# Altium PCB 20220516_Keyboard_V0.2.PcbDoc (part 2 of 2)
Units mil, origin at the board's own origin, x right, y up, seen from the top; angles counter-clockwise.
Board outline 8065.67 x 4703.83 mil, 2 copper layers (Top Layer, Bottom Layer); 129 components, 101 nets, 682 pads, 2065 vias.
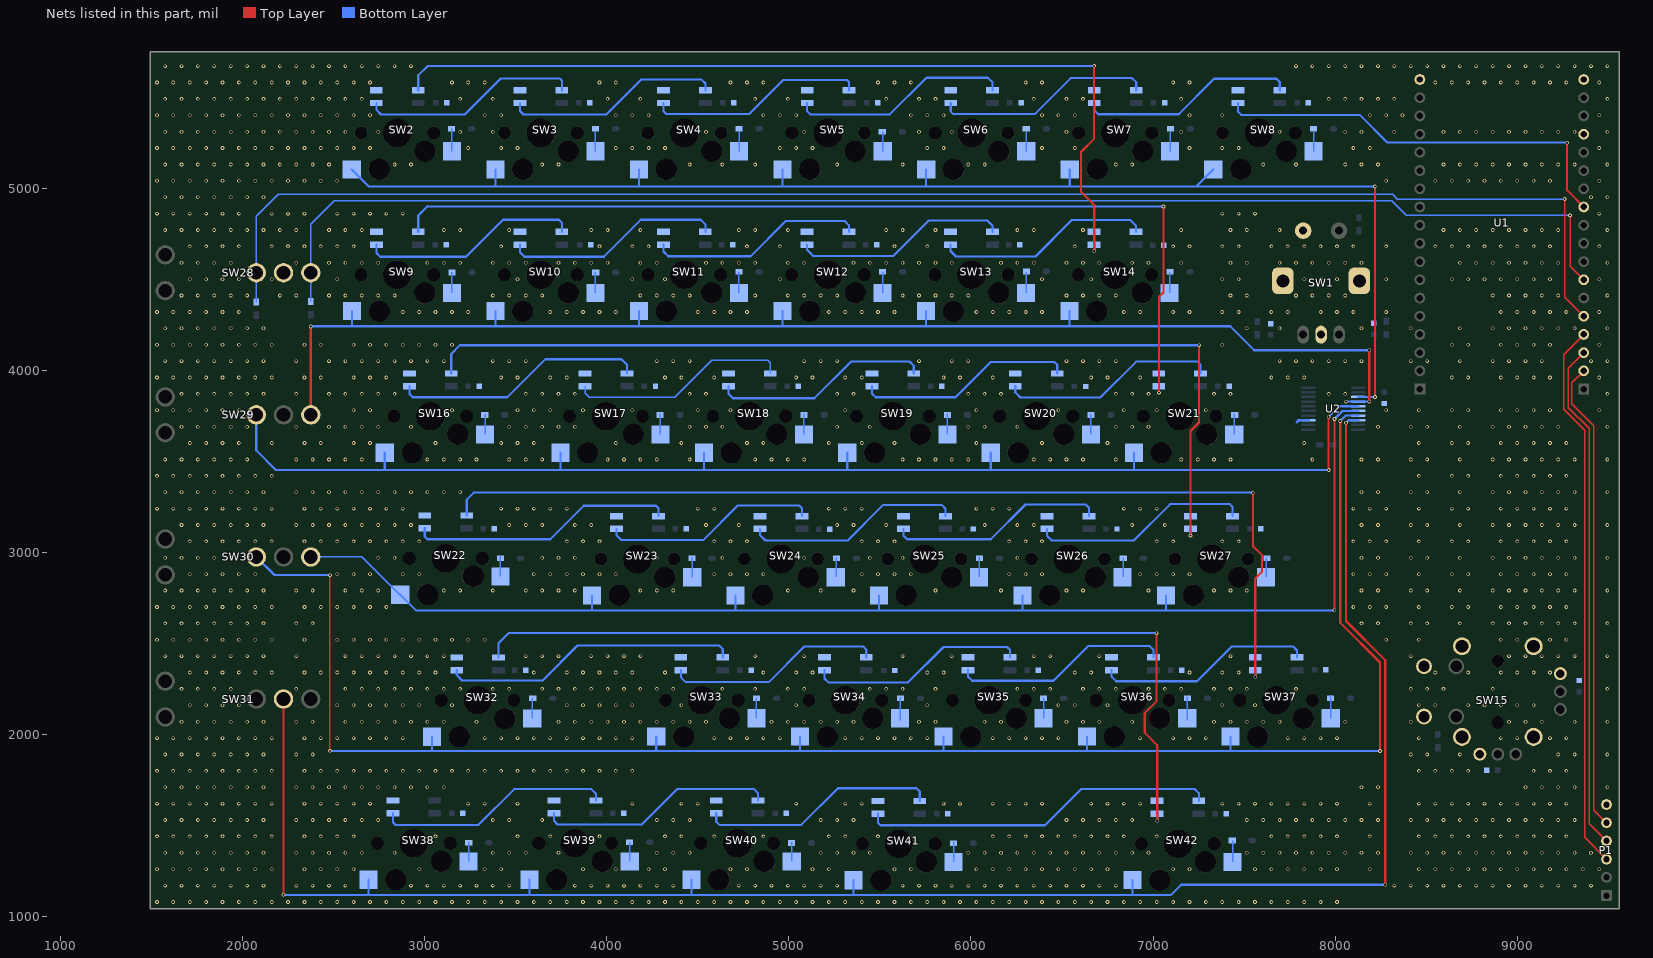
[diagram p2: the nets of this part, all layers, seen from the top]

## Via types
v1: diameter 20, hole 12, Top Layer to Bottom Layer, 2065 vias

## Nets (pads, with @x,y where several pads share a name; then routed paths per layer and width w, separated by ;. In a path a pad name is that pad's centre, name@x,y a point inside that pad or via, vN(x,y) a via of type N, cw(c..) or ccw(c..) an arc to the next point about the centre after c; other vN are vias at no path point) (continued)
GND: C1.1 C2.1 C3.1 C4.1 C5.1 C6.1 C7.1 C8.1 C9.2 C10.1 C11.1 C12.1 C13.1 C14.1 C15.1 C16.1 C17.1 C18.1 C19.1 C20.1 C21.1 C22.1 C23.1 C24.1 C25.1 C26.1 C27.1 C28.1 C29.1 C30.1 C31.1 C32.1 C33.1 C34.1 C35.1 C36.1 C37.1 C38.1 C39.1 C40.1 C41.1 P1.6 SW1.6 SW1.7 SW1.C SW1.D SW2.5 SW3.5 SW4.5 SW5.5 SW6.5 SW7.5 SW8.5 SW9.5 SW10.5 SW11.5 SW12.5 SW13.5 SW14.5 SW15.1 SW15.6 SW15.7 SW15.8 SW15.9 SW15.10 SW15.b SW15.d SW16.5 SW17.5 SW18.5 SW19.5 SW20.5 SW21.5 SW22.5 SW23.5 SW24.5 SW25.5 SW26.5 SW27.5 SW28.2 SW32.5 SW33.5 SW34.5 SW35.5 SW36.5 SW37.5 SW38.5 SW39.5 SW40.5 SW41.5 SW42.5 U1.1 U1.4 U1.36 U2.13 | length 65.5
  Bottom Layer w16: 7791.09,3716.41 7800.01,3725.33 U2.13@7852.85,3725.33
  other v1: 1530,1080 1620,1080 1710,1080 1800,1080 1890,1080 1980,1080 2070,1080 2160,1080 2250,1080 2340,1080 2430,1080 2520,1080 2610,1080 2700,1080 2790,1080 2880,1080 2970,1080 3060,1080 3150,1080 3240,1080 3330,1080 3420,1080 3510,1080 3600,1080 3690,1080 3780,1080 3870,1080 3960,1080 4050,1080 4140,1080 4230,1080 4320,1080 4410,1080 4500,1080 4590,1080 4680,1080 4770,1080 4860,1080 4950,1080 5040,1080 5130,1080 5220,1080 5310,1080 5400,1080 5490,1080 5580,1080 5670,1080 5760,1080 5850,1080 5940,1080 6030,1080 6120,1080 6210,1080 6300,1080 6390,1080 6480,1080 6570,1080 6660,1080 6750,1080 6840,1080 6930,1080 7020,1080 7110,1080 7200,1080 7290,1080 7380,1080 7470,1080 7560,1080 7650,1080 7740,1080 7830,1080 7920,1080 8010,1080 1575,1170 1665,1170 1755,1170 1845,1170 1935,1170 2025,1170 2115,1170 2295,1170 2385,1170 2475,1170 2565,1170 2925,1170 3015,1170 3105,1170 3195,1170 3285,1170 3375,1170 3465,1170 3825,1170 3915,1170 4005,1170 4095,1170 4185,1170 4275,1170 4365,1170 4725,1170 4815,1170 4905,1170 4995,1170 5085,1170 5175,1170 5265,1170 5625,1170 5715,1170 5805,1170 5895,1170 5985,1170 6075,1170 6165,1170 6255,1170 6345,1170 6435,1170 6525,1170 6615,1170 6705,1170 6795,1170 8325,1170 8415,1170 8505,1170 8595,1170 8685,1170 8775,1170 8865,1170 8955,1170 9045,1170 9135,1170 9225,1170 9315,1170 9405,1170 1530,1260 1620,1260 1710,1260 1800,1260 1890,1260 1980,1260 2070,1260 2160,1260 2340,1260 2430,1260 2520,1260 2610,1260 2970,1260 3330,1260 3420,1260 3870,1260 4050,1260 4230,1260 4320,1260 4680,1260 4770,1260 5130,1260 5220,1260 5580,1260 5670,1260 6030,1260 6120,1260 6210,1260 6300,1260 6390,1260 6480,1260 6570,1260 6660,1260 6750,1260 7110,1260 7200,1260 7560,1260 7650,1260 7740,1260 7830,1260 7920,1260 8010,1260 8190,1260 8460,1260 8550,1260 8640,1260 8730,1260 8820,1260 8910,1260 9000,1260 9090,1260 9180,1260 9270,1260 9360,1260 9450,1260 1575,1350 1665,1350 1755,1350 1845,1350 1935,1350 2025,1350 2115,1350 2295,1350 2385,1350 2475,1350 2565,1350 2655,1350 2835,1350 3375,1350 3465,1350 3555,1350 3735,1350 4275,1350 4365,1350 4455,1350 5175,1350 5265,1350 5355,1350 5445,1350 5985,1350 6075,1350 6165,1350 6255,1350 6345,1350 6435,1350 6525,1350 6615,1350 6705,1350 6795,1350 6885,1350 6975,1350 7515,1350 7605,1350 7695,1350 7785,1350 7875,1350 7965,1350 8055,1350 8145,1350 8235,1350 8415,1350 8505,1350 8595,1350 8685,1350 8775,1350 8865,1350 8955,1350 9045,1350 9135,1350 9225,1350 9315,1350 9405,1350 1530,1440 1620,1440 1710,1440 1800,1440 1890,1440 1980,1440 2070,1440 2160,1440 2340,1440 2430,1440 2520,1440 2610,1440 3060,1440 3510,1440 3690,1440 3960,1440 4320,1440 4410,1440 4590,1440 4860,1440 5220,1440 5310,1440 5490,1440 6120,1440 6210,1440 6300,1440 6390,1440 6480,1440 6570,1440 6660,1440 6750,1440 6840,1440 7020,1440 7650,1440 7740,1440 7830,1440 7920,1440 8010,1440 8190,1440 8460,1440 8550,1440 8640,1440 8730,1440 8820,1440 8910,1440 9000,1440 9090,1440 9180,1440 9270,1440 1575,1530 1665,1530 1755,1530 1845,1530 1935,1530 2025,1530 2115,1530 2295,1530 2385,1530 2475,1530 2565,1530 2655,1530 2745,1530 3375,1530 3465,1530 3645,1530 4275,1530 4365,1530 4455,1530 5175,1530 5265,1530 5355,1530 6525,1530 6615,1530 6705,1530 6795,1530 6885,1530 7515,1530 7605,1530 7695,1530 7785,1530 7875,1530 7965,1530 8055,1530 8145,1530 8235,1530 8415,1530 8505,1530 8595,1530 8685,1530 8775,1530 8865,1530 8955,1530 9045,1530 9135,1530 9225,1530 9315,1530 1530,1620 1620,1620 1710,1620 1800,1620 1890,1620 1980,1620 2070,1620 2160,1620 2340,1620 2430,1620 2520,1620 2610,1620 2700,1620 3240,1620 3330,1620 3510,1620 4140,1620 4410,1620 4500,1620 5040,1620 5310,1620 5400,1620 5850,1620 5940,1620 6120,1620 6210,1620 6300,1620 6390,1620 6660,1620 6750,1620 6840,1620 6930,1620 7380,1620 7470,1620 7560,1620 7650,1620 7740,1620 7830,1620 7920,1620 8010,1620 8190,1620 8460,1620 8550,1620 8640,1620 8730,1620 8820,1620 8910,1620 9000,1620 9090,1620 9180,1620 9270,1620 1575,1710 1665,1710 1755,1710 1845,1710 1935,1710 2025,1710 2115,1710 2295,1710 2385,1710 2475,1710 2565,1710 2655,1710 2745,1710 2835,1710 2925,1710 3015,1710 3105,1710 8145,1710 8235,1710 9045,1710 9135,1710 9225,1710 9315,1710 9495,1710 1530,1800 1620,1800 1710,1800 1800,1800 1890,1800 1980,1800 2070,1800 2160,1800 2340,1800 2430,1800 2520,1800 2610,1800 2700,1800 2790,1800 2880,1800 2970,1800 3060,1800 3150,1800 3240,1800 3330,1800 3420,1800 3510,1800 3600,1800 3690,1800 3780,1800 3870,1800 3960,1800 4050,1800 4140,1800 8460,1800 8550,1800 8640,1800 8730,1800 9090,1800 9180,1800 9270,1800 1575,1890 1665,1890 1755,1890 1845,1890 1935,1890 2025,1890 2115,1890 2295,1890 2385,1890 8415,1890 8505,1890 8685,1890 9225,1890 9315,1890 9495,1890 1530,1980 1620,1980 1710,1980 1800,1980 1890,1980 1980,1980 2070,1980 2160,1980 2340,1980 2430,1980 2520,1980 2610,1980 2700,1980 2790,1980 2880,1980 3330,1980 3420,1980 3510,1980 3600,1980 3690,1980 3780,1980 3870,1980 3960,1980 4050,1980 4140,1980 4590,1980 4680,1980 4770,1980 4860,1980 4950,1980 5310,1980 5400,1980 5490,1980 5580,1980 5670,1980 5760,1980 6120,1980 6210,1980 6300,1980 6390,1980 6480,1980 6930,1980 7110,1980 7200,1980 7290,1980 7740,1980 7830,1980 7920,1980 8010,1980 8460,1980 8910,1980 9000,1980 9180,1980 9270,1980 1665,2070 1755,2070 1845,2070 1935,2070 2025,2070 2115,2070 2295,2070 2385,2070 2565,2070 2655,2070 2745,2070 2835,2070 2925,2070 3015,2070 3105,2070 3285,2070 3735,2070 3825,2070 3915,2070 4005,2070 4095,2070 4185,2070 4275,2070 4365,2070 4455,2070 4545,2070 4905,2070 4995,2070 5085,2070 5175,2070 5265,2070 5355,2070 5715,2070 5805,2070 6075,2070 6165,2070 6525,2070 6615,2070 6705,2070 6885,2070 7335,2070 7425,2070 7515,2070 7605,2070 7695,2070 8055,2070 8415,2070 8955,2070 9045,2070 9135,2070 9315,2070 9495,2070 1710,2160 1800,2160 1890,2160 1980,2160 2520,2160 2610,2160 2700,2160 2790,2160 2880,2160 2970,2160 3150,2160 3780,2160 3870,2160 3960,2160 4050,2160 4140,2160 4410,2160 5040,2160 5760,2160 6480,2160 6570,2160 6750,2160 7380,2160 7560,2160 8460,2160 8550,2160 8730,2160 8820,2160 8910,2160 9000,2160 9090,2160 1665,2250 1755,2250 1845,2250 1935,2250 2295,2250 2565,2250 2655,2250 2745,2250 2835,2250 2925,2250 3015,2250 3105,2250 3195,2250 3375,2250 3465,2250 3645,2250 3735,2250 3825,2250 3915,2250 4005,2250 4095,2250 4185,2250 4275,2250 4365,2250 4635,2250 4815,2250 4995,2250 5085,2250 5445,2250 5535,2250 5625,2250 5805,2250 6255,2250 6345,2250 6435,2250 6615,2250 6705,2250 6795,2250 6975,2250 7065,2250 7155,2250 7335,2250 7425,2250 7515,2250 7785,2250 8415,2250 8505,2250 8595,2250 8865,2250 9495,2250 1710,2340 1800,2340 1890,2340 1980,2340 2070,2340 2160,2340 2340,2340 2430,2340 2520,2340 2610,2340 2700,2340 2790,2340 2880,2340 2970,2340 3060,2340 3600,2340 3780,2340 3870,2340 3960,2340 4050,2340 4140,2340 4320,2340 4860,2340 5040,2340 5130,2340 5760,2340 5850,2340 6570,2340 6660,2340 7200,2340 7380,2340 7470,2340 8550,2340 8730,2340 8910,2340 9000,2340 9090,2340 9180,2340 1575,2430 1665,2430 1755,2430 1845,2430 1935,2430 2025,2430 2115,2430 2295,2430 2565,2430 2655,2430 2745,2430 2835,2430 2925,2430 3015,2430 3105,2430 3555,2430 3645,2430 3735,2430 3915,2430 4005,2430 4095,2430 4185,2430 4815,2430 5085,2430 5625,2430 5895,2430 6345,2430 6435,2430 6705,2430 7425,2430 8415,2430 8955,2430 9045,2430 9135,2430 9225,2430 9315,2430 9495,2430 1530,2520 1620,2520 1710,2520 1800,2520 1890,2520 1980,2520 2070,2520 2160,2520 2340,2520 2520,2520 2610,2520 2700,2520 2790,2520 2880,2520 2970,2520 3060,2520 3150,2520 3240,2520 3330,2520 8280,2520 8460,2520 8910,2520 9000,2520 9180,2520 9270,2520 1575,2610 1665,2610 1755,2610 1845,2610 1935,2610 2025,2610 2115,2610 2295,2610 2385,2610 8145,2610 8235,2610 8415,2610 8505,2610 8685,2610 8865,2610 8955,2610 9045,2610 9135,2610 9225,2610 9315,2610 9495,2610 1530,2700 1620,2700 1710,2700 1800,2700 1890,2700 1980,2700 2070,2700 2160,2700 2340,2700 2430,2700 2520,2700 2610,2700 2700,2700 2790,2700 8100,2700 8190,2700 8280,2700 8460,2700 8640,2700 8730,2700 8910,2700 9000,2700 9090,2700 9180,2700 9270,2700 1575,2790 1665,2790 1755,2790 1845,2790 1935,2790 2025,2790 2115,2790 2295,2790 2385,2790 2565,2790 2655,2790 2745,2790 3105,2790 3195,2790 3375,2790 3555,2790 3645,2790 3735,2790 3825,2790 4185,2790 4275,2790 4365,2790 4995,2790 5175,2790 5355,2790 5805,2790 6165,2790 6525,2790 6615,2790 6975,2790 7335,2790 7425,2790 7515,2790 8145,2790 8235,2790 8415,2790 8505,2790 8685,2790 8865,2790 8955,2790 9045,2790 9135,2790 9225,2790 9315,2790 9495,2790 1710,2880 1800,2880 1890,2880 1980,2880 2070,2880 2520,2880 2610,2880 2700,2880 2880,2880 2970,2880 3600,2880 3690,2880 3780,2880 3870,2880 3960,2880 4050,2880 4590,2880 4680,2880 4770,2880 4860,2880 5400,2880 5490,2880 5580,2880 5670,2880 6210,2880 6300,2880 6390,2880 6930,2880 7020,2880 7110,2880 7200,2880 8100,2880 8190,2880 8280,2880 8460,2880 8640,2880 8730,2880 8910,2880 9000,2880 9090,2880 9180,2880 9270,2880 1575,2970 1665,2970 1755,2970 1845,2970 1935,2970 2745,2970 2835,2970 3645,2970 3735,2970 3825,2970 4275,2970 4635,2970 5085,2970 5445,2970 5625,2970 6255,2970 8145,2970 8235,2970 8415,2970 8505,2970 8685,2970 8865,2970 8955,2970 9045,2970 9135,2970 9225,2970 9315,2970 9495,2970 1710,3060 1800,3060 1890,3060 1980,3060 2070,3060 2160,3060 2340,3060 2430,3060 2520,3060 2610,3060 2700,3060 2790,3060 2880,3060 2970,3060 3780,3060 3870,3060 3960,3060 4590,3060 4680,3060 4770,3060 5400,3060 5490,3060 5580,3060 6210,3060 6300,3060 6390,3060 7020,3060 7110,3060 7380,3060 7470,3060 8100,3060 8190,3060 8280,3060 8460,3060 8640,3060 8730,3060 8910,3060 9000,3060 9090,3060 9180,3060 9270,3060 1665,3150 1755,3150 1845,3150 1935,3150 2025,3150 2115,3150 2295,3150 2385,3150 2475,3150 2565,3150 2655,3150 2745,3150 2835,3150 2925,3150 3465,3150 3555,3150 3645,3150 3825,3150 3915,3150 4545,3150 4725,3150 5265,3150 5355,3150 5535,3150 6075,3150 6255,3150 6345,3150 6885,3150 7065,3150 8145,3150 8235,3150 8415,3150 8505,3150 8685,3150 8865,3150 8955,3150 9045,3150 9135,3150 9225,3150 9315,3150 9495,3150 1530,3240 1620,3240 1710,3240 1800,3240 1890,3240 1980,3240 2070,3240 2160,3240 2340,3240 2430,3240 2520,3240 2610,3240 2700,3240 2790,3240 2880,3240 3420,3240 3510,3240 3600,3240 3690,3240 3780,3240 4500,3240 4590,3240 5220,3240 5310,3240 5400,3240 6030,3240 6120,3240 6210,3240 6840,3240 6930,3240 7020,3240 8100,3240 8190,3240 8280,3240 8460,3240 8640,3240 8730,3240 8910,3240 9000,3240 9090,3240 9180,3240 9270,3240 1575,3330 1665,3330 1755,3330 1845,3330 1935,3330 2025,3330 2115,3330 2295,3330 2385,3330 2475,3330 2565,3330 2655,3330 2745,3330 2835,3330 2925,3330 3015,3330 3105,3330 3195,3330 8145,3330 8235,3330 8415,3330 8505,3330 8685,3330 8865,3330 8955,3330 9045,3330 9135,3330 9225,3330 9315,3330 9495,3330 1530,3420 1620,3420 1710,3420 1800,3420 1890,3420 1980,3420 2070,3420 2160,3420 8460,3420 8640,3420 8730,3420 8910,3420 9000,3420 9090,3420 9180,3420 9270,3420 1575,3510 1665,3510 1755,3510 1845,3510 1935,3510 2025,3510 2295,3510 2385,3510 2475,3510 2565,3510 2655,3510 3015,3510 3105,3510 3195,3510 3285,3510 3465,3510 3555,3510 3645,3510 4005,3510 4095,3510 4185,3510 4275,3510 4455,3510 4815,3510 4905,3510 4995,3510 5085,3510 5625,3510 5715,3510 5805,3510 5895,3510 5985,3510 6345,3510 6435,3510 6525,3510 6615,3510 6795,3510 7155,3510 7245,3510 7335,3510 7425,3510 7875,3510 8145,3510 8235,3510 8415,3510 8505,3510 8685,3510 8865,3510 8955,3510 9045,3510 9135,3510 9225,3510 9315,3510 9495,3510 1710,3600 1800,3600 1890,3600 1980,3600 2160,3600 2340,3600 2430,3600 2610,3600 2700,3600 3060,3600 3420,3600 3510,3600 3600,3600 4050,3600 4410,3600 4770,3600 4860,3600 5220,3600 5400,3600 5580,3600 6030,3600 6390,3600 6750,3600 7830,3600 8460,3600 8640,3600 8730,3600 8910,3600 9000,3600 9090,3600 9180,3600 9270,3600 1665,3690 1755,3690 1845,3690 1935,3690 2025,3690 2295,3690 2475,3690 2565,3690 2655,3690 2745,3690 2925,3690 3465,3690 3555,3690 3645,3690 3735,3690 3825,3690 4455,3690 4545,3690 4635,3690 5265,3690 5445,3690 5985,3690 6075,3690 6255,3690 6795,3690 6885,3690 6975,3690 8235,3690 8415,3690 8505,3690 8685,3690 8865,3690 8955,3690 9045,3690 9135,3690 9225,3690 9495,3690 1530,3780 1620,3780 1710,3780 1800,3780 1890,3780 1980,3780 2610,3780 2700,3780 3150,3780 3510,3780 3600,3780 3690,3780 3870,3780 4140,3780 4500,3780 4680,3780 5310,3780 6030,3780 6480,3780 6840,3780 7020,3780 7290,3780 8280,3780 8460,3780 8640,3780 8730,3780 8910,3780 9000,3780 9090,3780 9180,3780 9450,3780 1665,3870 1755,3870 1845,3870 1935,3870 2025,3870 2115,3870 2295,3870 2475,3870 2565,3870 2655,3870 2745,3870 2835,3870 3555,3870 3645,3870 3735,3870 3825,3870 4455,3870 4545,3870 5265,3870 5355,3870 5985,3870 6075,3870 6165,3870 6795,3870 6885,3870 6975,3870 7335,3870 7425,3870 7965,3870 8055,3870 9495,3870 1530,3960 1620,3960 1710,3960 1800,3960 1890,3960 1980,3960 2070,3960 2160,3960 2340,3960 2430,3960 2610,3960 2700,3960 2790,3960 3420,3960 3510,3960 3690,3960 3780,3960 4320,3960 4410,3960 4590,3960 5040,3960 5130,3960 5310,3960 5400,3960 5850,3960 5940,3960 6120,3960 6660,3960 6750,3960 6930,3960 7650,3960 7740,3960 7830,3960 8640,3960 8730,3960 8910,3960 9000,3960 9090,3960 9180,3960 9450,3960 1575,4050 1665,4050 1755,4050 1845,4050 1935,4050 2025,4050 2115,4050 2295,4050 2475,4050 2565,4050 2655,4050 2745,4050 2835,4050 2925,4050 3015,4050 3105,4050 3375,4050 3465,4050 3555,4050 4275,4050 4365,4050 4455,4050 5085,4050 5175,4050 5265,4050 5715,4050 5895,4050 5985,4050 6525,4050 6615,4050 6705,4050 6795,4050 7695,4050 7785,4050 7875,4050 7965,4050 8055,4050 8145,4050 8415,4050 8505,4050 8685,4050 8865,4050 8955,4050 9045,4050 9135,4050 9405,4050 9495,4050 1530,4140 1620,4140 1710,4140 1800,4140 1890,4140 1980,4140 2070,4140 2160,4140 2340,4140 2430,4140 2610,4140 2700,4140 2790,4140 2880,4140 2970,4140 3060,4140 3150,4140 7380,4140 8640,4140 8730,4140 8910,4140 9000,4140 9090,4140 9180,4140 9450,4140 1575,4230 1665,4230 1755,4230 1845,4230 1935,4230 2025,4230 2115,4230 7515,4230 7695,4230 8145,4230 8415,4230 8685,4230 8865,4230 8955,4230 9045,4230 9135,4230 9225,4230 9315,4230 9495,4230 1530,4320 1620,4320 1710,4320 1800,4320 1890,4320 1980,4320 2880,4320 2970,4320 3060,4320 3150,4320 3240,4320 3690,4320 3780,4320 3870,4320 3960,4320 4050,4320 4500,4320 4590,4320 4680,4320 4770,4320 5220,4320 5310,4320 5400,4320 5490,4320 5580,4320 6030,4320 6120,4320 6210,4320 6300,4320 6390,4320 6840,4320 6930,4320 7110,4320 7200,4320 7380,4320 7470,4320 7650,4320 7740,4320 7920,4320 8010,4320 8100,4320 8280,4320 8910,4320 9000,4320 9090,4320 9180,4320 9270,4320 9450,4320 1665,4410 1755,4410 1845,4410 1935,4410 2025,4410 2205,4410 2295,4410 2475,4410 2565,4410 2655,4410 2745,4410 2835,4410 3375,4410 3465,4410 3555,4410 3645,4410 4185,4410 4275,4410 4365,4410 4455,4410 4815,4410 4995,4410 5085,4410 5175,4410 5265,4410 5625,4410 5715,4410 5805,4410 5895,4410 5985,4410 6525,4410 6615,4410 6705,4410 6795,4410 7425,4410 7515,4410 7785,4410 7875,4410 7965,4410 8055,4410 8865,4410 8955,4410 9045,4410 9135,4410 9225,4410 9495,4410 1710,4500 1800,4500 1890,4500 1980,4500 2160,4500 2520,4500 3510,4500 4140,4500 4320,4500 4950,4500 6390,4500 6660,4500 7380,4500 7470,4500 7830,4500 7920,4500 8010,4500 8280,4500 8640,4500 8730,4500 8820,4500 8910,4500 9000,4500 9090,4500 9180,4500 9450,4500 1665,4590 1755,4590 1845,4590 1935,4590 2295,4590 2475,4590 2565,4590 2655,4590 2745,4590 3015,4590 3105,4590 3195,4590 3375,4590 3465,4590 3555,4590 3735,4590 3825,4590 3915,4590 4005,4590 4185,4590 4275,4590 4545,4590 4635,4590 4725,4590 4815,4590 4995,4590 5085,4590 5355,4590 5445,4590 5535,4590 5625,4590 5715,4590 5805,4590 5895,4590 6165,4590 6255,4590 6345,4590 6525,4590 6615,4590 6705,4590 6885,4590 6975,4590 7155,4590 7425,4590 7515,4590 7695,4590 7785,4590 7875,4590 7965,4590 8055,4590 8145,4590 8685,4590 8775,4590 8865,4590 8955,4590 9045,4590 9135,4590 9225,4590 9495,4590 1710,4680 1800,4680 1890,4680 1980,4680 2160,4680 2250,4680 2340,4680 2430,4680 2520,4680 2610,4680 3420,4680 3960,4680 4140,4680 4230,4680 4770,4680 4950,4680 5580,4680 5760,4680 6570,4680 7110,4680 7200,4680 7380,4680 7470,4680 7650,4680 7740,4680 7830,4680 7920,4680 8010,4680 8100,4680 8280,4680 8550,4680 8640,4680 8730,4680 8820,4680 8910,4680 9000,4680 9090,4680 9180,4680 9450,4680 1575,4770 1665,4770 1755,4770 1845,4770 1935,4770 2025,4770 2115,4770 2205,4770 2295,4770 2475,4770 2565,4770 2655,4770 3105,4770 3195,4770 3465,4770 3915,4770 4005,4770 4185,4770 4725,4770 4815,4770 4995,4770 5535,4770 5625,4770 5805,4770 6255,4770 6345,4770 6615,4770 7155,4770 7425,4770 7515,4770 7695,4770 8595,4770 8685,4770 8775,4770 8865,4770 8955,4770 9045,4770 9135,4770 9225,4770 9495,4770 1530,4860 1620,4860 1710,4860 1800,4860 1890,4860 1980,4860 2160,4860 2250,4860 2340,4860 2520,4860 2610,4860 2700,4860 2790,4860 2880,4860 7380,4860 7470,4860 7560,4860 9450,4860 1575,4950 1665,4950 1755,4950 1845,4950 1935,4950 2025,4950 2115,4950 9405,4950 9495,4950 1530,5040 1620,5040 1710,5040 1800,5040 1890,5040 1980,5040 2070,5040 2160,5040 2250,5040 2340,5040 2430,5040 2520,5040 8280,5040 8550,5040 8640,5040 8730,5040 8820,5040 8910,5040 9000,5040 9090,5040 9180,5040 9450,5040 1575,5130 1665,5130 1755,5130 1845,5130 1935,5130 2025,5130 2115,5130 2205,5130 2295,5130 2385,5130 2475,5130 2835,5130 2925,5130 3645,5130 3735,5130 4455,5130 4635,5130 4815,5130 5265,5130 5625,5130 5985,5130 6075,5130 6795,5130 6885,5130 7605,5130 7785,5130 8055,5130 8145,5130 8235,5130 8595,5130 8685,5130 8775,5130 8865,5130 8955,5130 9045,5130 9135,5130 9225,5130 9315,5130 9495,5130 1530,5220 1620,5220 1710,5220 1800,5220 1890,5220 1980,5220 2070,5220 2160,5220 2250,5220 2340,5220 2430,5220 2520,5220 2610,5220 2700,5220 3240,5220 3420,5220 3510,5220 4050,5220 4140,5220 4230,5220 4320,5220 4950,5220 5040,5220 5130,5220 5760,5220 5850,5220 6390,5220 6570,5220 7200,5220 7380,5220 7470,5220 8100,5220 8190,5220 9450,5220 1575,5310 1665,5310 1755,5310 1845,5310 1935,5310 2025,5310 2115,5310 2205,5310 2295,5310 2385,5310 2475,5310 2565,5310 2745,5310 3195,5310 3375,5310 4545,5310 5085,5310 5715,5310 5895,5310 6525,5310 7155,5310 7695,5310 8055,5310 8145,5310 8325,5310 8595,5310 8685,5310 8775,5310 8865,5310 8955,5310 9045,5310 9135,5310 9225,5310 9315,5310 9495,5310 1530,5400 1620,5400 1710,5400 1800,5400 1890,5400 1980,5400 2070,5400 2160,5400 2250,5400 2340,5400 2430,5400 2520,5400 2610,5400 2700,5400 3330,5400 3420,5400 4050,5400 4140,5400 4230,5400 4860,5400 4950,5400 5040,5400 5670,5400 5760,5400 5850,5400 6390,5400 6480,5400 6570,5400 7200,5400 7380,5400 8190,5400 8280,5400 8370,5400 9450,5400 1575,5490 1665,5490 1755,5490 1845,5490 1935,5490 2025,5490 2115,5490 2205,5490 2295,5490 2385,5490 2475,5490 2565,5490 2655,5490 3195,5490 3375,5490 4005,5490 4185,5490 4815,5490 4995,5490 5535,5490 5715,5490 5805,5490 6345,5490 6525,5490 6615,5490 7155,5490 7965,5490 8055,5490 8145,5490 8235,5490 8325,5490 9495,5490 1530,5580 1620,5580 1710,5580 1800,5580 1890,5580 1980,5580 2070,5580 2160,5580 2250,5580 2340,5580 2430,5580 2520,5580 2610,5580 2700,5580 3150,5580 3240,5580 3330,5580 3960,5580 4050,5580 4680,5580 4770,5580 4860,5580 5490,5580 5580,5580 5670,5580 6300,5580 6390,5580 7110,5580 7200,5580 8550,5580 8640,5580 8730,5580 8820,5580 8910,5580 9000,5580 9090,5580 9180,5580 9270,5580 9450,5580 1575,5670 1665,5670 1755,5670 1845,5670 1935,5670 2025,5670 2115,5670 2205,5670 2295,5670 2385,5670 2475,5670 2565,5670 2655,5670 2745,5670 2835,5670 2925,5670 7785,5670 7875,5670 7965,5670 8055,5670 8145,5670 8235,5670 8325,5670 8415,5670 8505,5670 8595,5670 8685,5670 8775,5670 8865,5670 8955,5670 9045,5670 9135,5670 9225,5670 9315,5670 9405,5670 9495,5670
IO: P1.5 U1.17 | length 2586.7
  Top Layer w8: U1.17@9365,3995 9300,3930 9300,3815 9420,3695 9420,1585 P1.5@9490,1515 ; U1.17@9364.99,3996.49 U1.17@9365.74,3995.74
LED_CTR: P1.4 U1.16 | length 2802.2
  Top Layer w8: U1.16@9365,4095 9280,4010 9280,3795 9395,3680 9395,1510 P1.4@9490,1415
MATRIX_TX: P1.3 U1.15 | length 3022.9
  Top Layer w8: U1.15@9365,4195 9255,4085 9255,3785 9370,3670 9370,1435 P1.3@9490,1315
NetD1_1: D1.1 SW2.4 | length 124.7
  Bottom Layer w8: D1.1@3147.93,5326.18 3149.99,5324.13 SW2.4@3149.99,5202.32
NetD2_1: D2.1 SW3.4 | length 106.7
  Bottom Layer w8: SW3.4@3937.72,5203.09 3937.72,5309.75
NetD3_1: D3.1 SW4.4 | length 107.1
  Bottom Layer w8: SW4.4@4726.62,5202.7 4726.62,5309.75
NetD4_1: D4.1 SW5.4 | length 107.4
  Bottom Layer w8: SW5.4@5515.5,5202.32 D4.1@5515.52,5309.75
NetD5_1: D5.1 SW6.4 | length 107
  Bottom Layer w8: SW6.4@6304.42,5202.74 6304.42,5309.75
NetD6_1: D6.1 SW7.4 | length 106.6
  Bottom Layer w8: SW7.4@7093.32,5203.13 7093.32,5309.75
NetD7_1: D7.1 SW8.4 | length 106.2
  Bottom Layer w8: SW8.4@7882.22,5203.53 7882.22,5309.75
NetD8_1: D8.1 SW9.4 | length 112.2
  Bottom Layer w8: SW9.4@3149.82,4425.05 D8.1@3149.82,4537.24
NetD9_1: D9.1 SW10.4 | length 112.3
  Bottom Layer w8: SW10.4@3938.06,4424.94 D9.1@3938.06,4537.24
NetD10_1: D10.1 SW11.4 | length 112.4
  Bottom Layer w8: SW11.4@4726.29,4424.82 D10.1@4726.29,4537.24
NetD11_1: D11.1 SW12.4 | length 112.5
  Bottom Layer w8: SW12.4@5514.53,4424.7 D11.1@5514.53,4537.24
NetD12_1: D12.1 SW13.4 | length 112.7
  Bottom Layer w8: SW13.4@6302.77,4424.59 D12.1@6302.77,4537.24
NetD13_1: D13.1 SW14.4 | length 112.8
  Bottom Layer w8: SW14.4@7091.01,4424.47 D13.1@7091.01,4537.24
NetD14_1: D14.1 SW16.4 | length 110.2
  Bottom Layer w8: SW16.4@3331.66,3647.5 D14.1@3331.66,3757.75
NetD15_1: D15.1 SW17.4 | length 111.5
  Bottom Layer w8: SW17.4@4294.34,3648.99 D15.1@4294.34,3760.5
NetD16_1: D16.1 SW18.4 | length 111.7
  Bottom Layer w8: SW18.4@5082.06,3648.77 D16.1@5082.06,3760.5
NetD17_1: D17.1 SW19.4 | length 112
  Bottom Layer w8: SW19.4@5869.79,3648.54 D17.1@5869.79,3760.5
NetD18_1: D18.1 SW20.4 | length 112.2
  Bottom Layer w8: SW20.4@6657.51,3648.32 D18.1@6657.51,3760.5
NetD19_1: D19.1 SW21.4 | length 112.4
  Bottom Layer w8: SW21.4@7445.24,3648.09 D19.1@7445.24,3760.5
NetD20_1: D20.1 SW22.4 | length 112.6
  Bottom Layer w8: SW22.4@3415.96,2867.37 D20.1@3415.96,2979.97
NetD21_1: D21.1 SW23.4 | length 110.4
  Bottom Layer w8: SW23.4@4469.05,2863.63 D21.1@4469.05,2973.99
NetD22_1: D22.1 SW24.4 | length 104.1
  Bottom Layer w8: SW24.4@5260.66,2867.25 D22.1@5260.66,2971.32
NetD23_1: D23.1 SW25.4 | length 107.6
  Bottom Layer w8: SW25.4@6046.01,2864.61 D23.1@6046.01,2972.2
NetD24_1: D24.1 SW26.4 | length 105.5
  Bottom Layer w8: SW26.4@6835.21,2865.82 D24.1@6835.21,2971.32
NetD25_1: D25.1 SW27.4 | length 106.2
  Bottom Layer w8: SW27.4@7622.48,2865.1 D25.1@7622.48,2971.32
NetD26_1: D26.1 SW32.4 | length 112
  Bottom Layer w8: SW32.4@3591.54,2087.85 D26.1@3591.54,2199.84
NetD27_1: D27.1 SW33.4 | length 110
  Bottom Layer w8: SW33.4@4822.24,2088.42 D27.1@4822.24,2198.45
NetD28_1: D28.1 SW34.4 | length 126.9
  Bottom Layer w8: SW34.4@5612.54,2077.28 D28.1@5612.54,2204.21
NetD29_1: D29.1 SW35.4 | length 109.7
  Bottom Layer w8: SW35.4@6398.56,2088.77 D29.1@6398.56,2198.45
NetD30_1: D30.1 SW36.4 | length 126.3
  Bottom Layer w8: SW36.4@7187.16,2078.27 D30.1@7187.16,2204.58
NetD31_1: D31.1 SW37.4 | length 126
  Bottom Layer w8: SW37.4@7974.89,2089.4 7974.89,2215.39
NetD32_1: D32.1 SW38.4 | length 104.9
  Bottom Layer w8: SW38.4@3241.01,1302.32 D32.1@3241.01,1407.2
NetD33_1: D33.1 SW39.4 | length 104.9
  Bottom Layer w8: SW39.4@4126.01,1302.32 D33.1@4126.01,1407.2
NetD34_1: D34.1 SW40.4 | length 104.9
  Bottom Layer w8: SW40.4@5016.01,1302.32 D34.1@5016.01,1407.2
NetD35_1: D35.1 SW41.4 | length 109.9
  Bottom Layer w8: SW41.4@5904.39,1299.78 D35.1@5904.39,1409.66
NetD36_1: D36.1 SW42.4 | length 116.5
  Bottom Layer w8: SW42.4@7436.62,1300.14 D36.1@7436.62,1416.6
NetSW2_2: SW2.2 SW14.6 | length 4927.5
  Top Layer w12: v1(6676.57,5671.08) 6676.57,5270.44 6604.52,5198.39 6604.52,4979.45 6677.03,4906.95 v1(6677.03,4653.5)
  Bottom Layer w12: SW2.2@2964.99,5537.32 2964.99,5619.48 3016.59,5671.08 v1(6676.57,5671.08) ; v1(6677.03,4653.5) SW14.6@6677.03,4688.45
NetSW2_6: SW2.6 SW3.2 | length 1205.5
  Bottom Layer w12: SW2.6@2734.99,5467.32 2734.99,5430.43 2760.72,5404.7 3221.01,5404.7 3417.89,5601.57 3742.62,5601.57 3753.49,5590.7 SW3.2@3753.49,5537.32
NetSW3_6: SW3.6 SW4.2 | length 1197.4
  Bottom Layer w12: SW3.6@3523.49,5467.32 3523.49,5423.67 3543.18,5403.98 3998.01,5403.98 4191.37,5597.34 4519.68,5597.34 4541.99,5575.03 SW4.2@4541.99,5537.32
NetSW4_6: SW4.6 SW5.2 | length 1198.5
  Bottom Layer w12: SW4.6@4311.99,5467.32 4311.99,5421.5 4326.94,5406.56 4782.83,5406.56 4970.79,5594.52 5318.43,5594.52 5330.5,5582.45 SW5.2@5330.5,5537.32
NetSW5_6: SW5.6 SW6.2 | length 1208.2
  Bottom Layer w12: SW5.6@5100.5,5467.32 5100.5,5422.26 5117.92,5404.84 5554.39,5404.84 5756.04,5606.49 6093.01,5606.49 6119,5580.49 SW6.2@6119,5537.32
NetSW6_6: SW6.6 SW7.2 | length 1206.6
  Bottom Layer w12: SW6.6@5889,5467.32 5889,5420.02 5902.61,5406.4 6350.23,5406.4 6547.77,5603.94 6884.84,5603.94 6907.51,5581.27 SW7.2@6907.51,5537.32
NetSW7_6: SW7.6 SW8.2 | length 1200.1
  Bottom Layer w12: SW7.6@6677.51,5467.32 6677.51,5427.62 6699.18,5405.95 7140.73,5405.95 7335.09,5600.31 7677.96,5600.31 7696.01,5582.26 SW8.2@7696.01,5537.32
NetSW9_2: SW9.2 SW21.6 | length 5269
  Top Layer w12: v1@7033.07,3877.21 7033.07,4402.64 7057.63,4427.19 v1(7057.63,4898.98)
  Bottom Layer w12: SW9.2@2965.4,4759.47 2965.4,4849.55 3016.06,4900.21 3017.29,4898.98 v1(7057.63,4898.98) ; v1(7032.85,3877.21) SW21.6@7032.85,3910.49
NetSW9_6: SW9.6 SW10.2 | length 1214
  Bottom Layer w12: SW9.6@2735.4,4689.47 2735.4,4643.61 2756,4623.01 3227.52,4623.01 3430.66,4826.15 3737.64,4826.15 3753.52,4810.27 SW10.2@3753.52,4759.47
NetSW10_6: SW10.6 SW11.2 | length 1205.9
  Bottom Layer w12: SW10.6@3523.52,4689.47 3523.52,4648.1 3548.06,4623.56 3984.15,4623.56 4187.11,4826.53 4516.2,4826.53 4541.65,4801.08 SW11.2@4541.65,4759.47
NetSW11_6: SW11.6 SW12.2 | length 1193.3
  Bottom Layer w12: SW11.6@4311.65,4689.47 4311.65,4651.83 4337.72,4625.76 4790.15,4625.76 4983.81,4819.41 5306.85,4819.41 5329.77,4796.48 SW12.2@5329.77,4759.47
NetSW12_6: SW12.6 SW13.2 | length 1186.3
  Bottom Layer w12: SW12.6@5099.77,4689.47 5099.77,4661.76 5134.04,4627.49 5574.07,4627.49 5768.35,4821.77 6089.66,4821.77 6117.89,4793.54 SW13.2@6117.89,4759.47
NetSW13_6: SW13.6 SW14.2 | length 1196
  Bottom Layer w12: SW13.6@5887.89,4689.47 5887.89,4654.87 5918.35,4624.41 6354.12,4624.41 6555.43,4825.72 6873.57,4825.72 6906.01,4793.28 SW14.2@6906.01,4759.47
NetSW16_2: SW16.2 SW27.6 | length 5335.5
  Top Layer w12: v1(7205.7,3091.86) 7205.7,3666.22 7252.78,3713.3 v1(7252.78,4137.94)
  Bottom Layer w12: SW16.2@3146.48,3982.32 3146.48,4089.55 3193.68,4136.76 v1@7253.17,4136.76 ; v1(7205.7,3091.86) SW27.6@7205.7,3128.32
NetSW16_6: SW16.6 SW17.2 | length 1391.3
  Bottom Layer w12: SW16.6@2916.48,3912.32 2916.48,3869.26 2934.49,3851.24 3454.47,3851.24 3663.12,4059.9 4080.61,4059.9 4111.01,4029.5 SW17.2@4111.01,3982.32
NetSW17_6: SW17.6 SW18.2 | length 1215.3
  Bottom Layer w8: SW17.6@3881.01,3912.32 3881.01,3874.83 3905.15,3850.69 4372.49,3850.69 4577.8,4056 4884.21,4056 4898.51,4041.7 SW18.2@4898.51,3982.32
NetSW18_6: SW18.6 SW19.2 | length 1205.5
  Bottom Layer w12: SW18.6@4668.51,3912.32 4668.51,3870.86 4693.26,3846.11 5140.3,3846.11 5342.52,4048.33 5662.99,4048.33 5686.01,4025.31 SW19.2@5686.01,3982.32
NetSW19_6: SW19.6 SW20.2 | length 1200.6
  Bottom Layer w12: SW19.6@5456.01,3912.32 5456.01,3871.73 5476.47,3851.28 5914.95,3851.28 6108.72,4045.04 6458.22,4045.04 6473.51,4029.75 SW20.2@6473.51,3982.32
NetSW20_6: SW20.6 SW21.2 | length 1200.3
  Bottom Layer w12: SW20.6@6243.51,3912.32 6243.51,3878.63 6272.4,3849.74 6709.69,3849.74 6907.14,4047.19 7244.72,4047.19 7261.01,4030.9 SW21.2@7261.01,3982.32
NetSW22_2: SW22.2 SW37.6 | length 5519.8
  Top Layer w12: v1(7561.01,2316.76) 7561.01,2856.37 7599.17,2894.52 7599.17,2983.68 7548.12,3034.72 7548.12,3311.15 ; 7548.12,3311.15 v1(7548.12,3327.11) 7548.12,3311.15
  Bottom Layer w12: SW22.2@3231.01,3202.32 3231.01,3289.27 3269.61,3327.87 v1@7548.12,3327.87 ; v1(7561.01,2316.76) SW37.6@7561.01,2353.28
NetSW22_6: SW22.6 SW23.2 | length 1459.8
  Bottom Layer w12: SW22.6@3001.01,3132.32 3001.01,3087.36 3016.19,3072.18 3689.48,3072.18 3873.41,3256.11 4270.08,3256.11 4284.05,3242.14 SW23.2@4284.05,3198.63
NetSW23_6: SW23.6 SW24.2 | length 1192.3
  Bottom Layer w12: SW23.6@4054.05,3128.63 4054.05,3094.14 4081.32,3066.86 4529.86,3066.86 4720.03,3257.04 5057.25,3257.04 5072.04,3242.25 SW24.2@5072.04,3198.63
NetSW24_6: SW24.6 SW25.2 | length 1195
  Bottom Layer w12: SW24.6@4842.04,3128.63 4842.04,3094.57 4871.55,3065.06 5323.09,3065.06 5518.48,3260.44 5839.51,3260.44 5860.03,3239.92 SW25.2@5860.03,3198.63
NetSW25_6: SW25.6 SW26.2 | length 1196.6
  Bottom Layer w12: SW25.6@5630.03,3128.63 5630.03,3090.71 5648.73,3072.01 6108.96,3072.01 6299.99,3263.05 6629.97,3263.05 6648.02,3245 SW26.2@6648.02,3198.63
NetSW26_6: SW26.6 SW27.2 | length 1206.9
  Bottom Layer w12: SW26.6@6418.02,3128.63 6418.02,3090.31 6443.27,3065.06 6893.95,3065.06 7093.67,3264.78 7421.04,3264.78 7436.01,3249.81 SW27.2@7436.01,3198.63
NetSW32_2: SW32.2 SW42.6 | length 4839.8
  Top Layer w12: v1(7019.8,2556.5) 7019.8,2182.79 6954.74,2117.74 6954.74,2009.56 7022.92,1941.38 v1(7022.92,1526.2)
  Bottom Layer w12: SW32.2@3406.01,2422.32 3406.01,2499.87 3462.64,2556.5 v1(7019.8,2556.5) ; SW42.6@7021.62,1565.14 7022.92,1563.83 v1(7022.92,1526.2)
NetSW32_6: SW32.6 SW33.2 | length 1632.3
  Bottom Layer w12: SW32.6@3176.01,2352.32 3176.01,2326.12 3205.66,2296.47 3648.11,2296.47 3839.61,2487.97 4617.88,2487.97 4637.1,2468.76 SW33.2@4637.1,2423.28
NetSW33_6: SW33.6 SW34.2 | length 1199.8
  Bottom Layer w12: SW33.6@4407.1,2353.28 4407.1,2313.3 4433.1,2287.29 4889.18,2287.29 5084.97,2483.08 5407.9,2483.08 5425.57,2465.4 SW34.2@5425.57,2423.28
NetSW34_6: SW34.6 SW35.2 | length 1201.7
  Bottom Layer w12: SW34.6@5195.57,2353.28 5195.57,2307.63 5217.19,2286.02 5654.53,2286.02 5849.05,2480.54 6198.31,2480.54 6214.05,2464.79 SW35.2@6214.05,2423.28
NetSW35_6: SW35.6 SW36.2 | length 1192.7
  Bottom Layer w12: SW35.6@5984.05,2353.28 5984.05,2317.05 6006.6,2294.5 6452.91,2294.5 6643.21,2484.8 6982.59,2484.8 7002.53,2464.86 SW36.2@7002.53,2423.28
NetSW36_6: SW36.6 SW37.2 | length 1190.5
  Bottom Layer w12: SW36.6@6772.53,2353.28 6772.53,2317.16 6797.5,2292.19 7241.23,2292.19 7431.4,2482.36 7770.05,2482.36 7791.01,2461.4 SW37.2@7791.01,2423.28
NetSW38_6: SW38.6 SW39.2 | length 1299.6
  Bottom Layer w12: SW38.6@2826.01,1567.32 2826.01,1517.26 2840.51,1502.76 3295.18,1502.76 3491.94,1699.53 3915.09,1699.53 3941.01,1673.61 SW39.2@3941.01,1637.32
NetSW39_6: SW39.6 SW40.2 | length 1301.2
  Bottom Layer w12: SW39.6@3711.01,1567.32 3711.01,1524.12 3729.59,1505.53 4192.95,1505.53 4388.38,1700.96 4806.56,1700.96 4831.01,1676.52 SW40.2@4831.01,1637.32
NetSW40_6: SW40.6 SW41.2 | length 1314.6
  Bottom Layer w12: SW40.6@4601.01,1567.32 4601.01,1520.91 4618.49,1503.43 5068.19,1503.43 5269.45,1704.7 5701.18,1704.7 5719.39,1686.49 SW41.2@5719.39,1634.78
NetSW41_6: SW41.6 SW42.2 | length 1952.2
  Bottom Layer w12: SW41.6@5489.39,1564.78 5489.39,1514.53 5502.8,1501.12 6406.39,1501.12 6605.31,1700.04 7229.12,1700.04 7251.62,1677.54 SW42.2@7251.62,1635.14
RGB: SW8.6 U1.8@9364.99,4896.49 | length 2317.5
  Top Layer w12: v1(9273.94,5249.65) 9273.94,4987.54 U1.8@9364.99,4896.49
  Bottom Layer w12: SW8.6@7466.01,5467.32 7466.01,5420.09 7483.75,5402.35 8135.47,5402.35 8288,5249.82 v1@9274.9,5249.82
ROW0: SW2.3 SW3.3 SW4.3 SW5.3 SW6.3 SW7.3 SW8.3 U2.3 | length 7490.8
  Top Layer w12: v1@8218.25,3851.34 v1(8218.25,5008.95)
  Bottom Layer w12: SW2.3@2599.99,5102.32 2693.35,5008.95 7237.64,5008.95 ; 3388.49,5012.75 SW3.3@3388.49,5102.32 ; 4176.99,5009.11 SW4.3@4176.99,5102.32 ; 4965.5,5009.68 SW5.3@4965.5,5102.32 ; 5754,5016.56 SW6.3@5754,5102.32 ; 6542.51,5010.82 SW7.3@6542.51,5102.32 ; SW8.3@7331.01,5102.32 7237.64,5008.95 ; U2.3@8127.03,3853.28 v1(8218.53,3853.28) ; v1(8218.25,5008.95) 7237.64,5008.95
ROW1: SW9.3 SW10.3 SW11.3 SW12.3 SW13.3 SW14.3 SW29.1 U2.4 | length 7255.5
  Top Layer w12: SW29.1@2374.85,3755.02 v1@2374.85,4239.85 ; v1(8187.69,3827.69) v1(8187.69,4109.2)
  Bottom Layer w12: v1@2376.6,4241.6 2600.4,4241.6 ; SW9.3@2600.4,4324.47 2600.4,4241.6 ; SW10.3@3388.52,4324.47 3388.52,4241.6 ; SW11.3@4176.65,4324.47 4176.65,4241.6 ; SW12.3@4964.77,4324.47 4964.77,4241.6 ; SW13.3@5752.89,4324.47 5752.89,4241.6 ; 6541.01,4244.28 SW14.3@6541.01,4324.47 ; v1(8058.65,3827.69) U2.4@8127.03,3827.69 v1(8187.69,3827.69) ; v1@8187.69,4109.96 7555.29,4109.96 7423.66,4241.6 5752.89,4241.6 ; 2600.4,4241.6 3388.52,4241.6 ; 3388.52,4241.6 4176.65,4241.6 ; 4176.65,4241.6 4964.77,4241.6 ; 4964.77,4241.6 5752.89,4241.6
  other v1: 2375,4240
ROW2: SW16.3 SW17.3 SW18.3 SW19.3 SW20.3 SW21.3 SW29.3 U2.5 | length 7174.8
  Top Layer w12: v1@7964.08,3452.25 v1(7964.08,3744.15)
  Bottom Layer w12: SW29.3@2075,3755 2075,3560 2182.75,3452.25 3746.01,3452.25 ; 2781.48,3453.52 SW16.3@2781.48,3547.32 ; SW17.3@3746.01,3547.32 3746.01,3452.25 ; SW18.3@4533.51,3547.32 4533.51,3452.25 ; SW19.3@5321.01,3547.32 5321.01,3452.25 ; SW20.3@6108.51,3547.32 6108.51,3452.25 ; 6896.01,3454.38 SW21.3@6896.01,3547.32 ; v1(7964.08,3744.15) 7964.26,3744.15 8022.21,3802.1 U2.5@8127.03,3802.1 ; v1(7964.3,3452.25) 6108.51,3452.25 ; 3746.01,3452.25 4533.51,3452.25 ; 4533.51,3452.25 5321.01,3452.25 ; 5321.01,3452.25 6108.51,3452.25
ROW3: SW22.3 SW23.3 SW24.3 SW25.3 SW26.3 SW27.3 SW30.1 U2.6 | length 7352.2
  Top Layer w12: v1@7996.35,2682.32 v1(7996.35,3732.32)
  Bottom Layer w8: SW30.1@2374.85,2974.64 2655.36,2974.64 SW22.3@2865,2765
  Bottom Layer w12: SW22.3@2866.01,2767.32 2952.01,2681.32 3919.05,2681.32 ; SW23.3@3919.05,2763.63 3919.05,2681.32 ; SW24.3@4707.04,2763.63 4707.04,2681.32 ; SW25.3@5495.03,2763.63 5495.03,2681.32 ; SW26.3@6283.02,2763.63 6283.02,2681.32 ; 7071.01,2682.28 SW27.3@7071.01,2763.63 ; v1@7996.03,2681.32 6283.02,2681.32 ; v1(7996.35,3732.32) 8040.54,3776.51 U2.6@8127.03,3776.51 ; 3919.05,2681.32 4707.04,2681.32 ; 4707.04,2681.32 5495.03,2681.32 ; 5495.03,2681.32 6283.02,2681.32
  other v1: 7996.01,2682.32
ROW4: SW30.3 SW32.3 SW33.3 SW34.3 SW35.3 SW36.3 SW37.3 U2.7 | length 9657.9
  Top Layer w8: v1@2480,1915 v1@2480,2880
  Top Layer w12: v1(8028.17,3721.25) 8028.17,2613.31 8246.53,2394.95 v1(8246.53,1908.69)
  Bottom Layer w12: SW30.3@2075.64,2974.64 2175.28,2875 v1(2480,2875) ; v1(2480.37,1909.63) 4272.1,1909.63 ; 3041.01,1913.62 SW32.3@3041.01,1987.32 ; SW33.3@4272.1,1988.28 4272.1,1909.63 ; SW34.3@5060.57,1988.28 5060.57,1909.63 ; SW35.3@5849.05,1988.28 5849.05,1909.63 ; SW36.3@6637.53,1988.28 6637.53,1909.63 ; SW37.3@7426.01,1988.28 7426.01,1909.63 ; v1(8028.17,3721.25) 8057.84,3750.92 U2.7@8127.03,3750.92 ; v1@8246.53,1909.63 7426.01,1909.63 ; 4272.1,1909.63 5060.57,1909.63 ; 5060.57,1909.63 5849.05,1909.63 ; 5849.05,1909.63 6637.53,1909.63 ; 6637.53,1909.63 7426.01,1909.63
ROW5: SW31.2 SW38.3 SW39.3 SW40.3 SW41.3 SW42.3 U2.8 | length 10252.6
  Top Layer w12: v1(2225,1120) SW31.2@2225.25,2194.25 ; v1(8059.54,3711.2) 8059.54,2622.39 8275,2406.93 v1(8275,1175)
  Bottom Layer w12: v1@2225,1117.44 7097.44,1117.44 7155,1175 v1(8275,1175) ; 2691.01,1123.45 SW38.3@2691.01,1202.32 ; 3576.01,1119.09 SW39.3@3576.01,1202.32 ; 4466.01,1119.58 SW40.3@4466.01,1202.32 ; 5354.39,1118.89 SW41.3@5354.39,1199.78 ; 6886.62,1120.19 SW42.3@6886.62,1200.14 ; v1(8059.54,3711.2) 8073.67,3725.33 U2.8@8127.03,3725.33
SW1: R6.2 SW28.1 U1.12 | length 7809.2
  Top Layer w8: v1(9290,4850) 9290,4571.48 U1.12@9364.99,4496.49
  Bottom Layer w8: R6.2@2374.97,4377.97 2374.97,4535.28 SW28.1@2374.85,4535.4 2374.85,4800.73 2504.12,4930 8310,4930 8390,4850 v1(9290,4850)
SW2: R8.2 SW28.3 U1.14 | length 8402.8
  Top Layer w8: v1(9260,4940) 9260,4401.48 U1.14@9364.99,4296.49
  Bottom Layer w8: R8.2@2074.53,4374.5 2074.53,4534.29 SW28.3@2075.64,4535.4 2075.64,4845.64 2195,4965 8315,4965 8340,4940 v1(9260,4940)
pads on no net: SW2. SW3. SW4. SW5. SW6. SW7. SW8. SW9. SW10. SW11. SW12. SW13. SW14. SW15. SW16. SW17. SW18. SW19. SW20. SW21. SW22. SW23. SW24. SW25. SW26. SW27. SW28.4 SW28.5 SW29.4 SW29.5 SW30.4 SW30.5 SW31.4 SW31.5 SW32. SW33. SW34. SW35. SW36. SW37. SW38. SW38.2 SW39. SW40. SW41. SW42. U1.0 U1.5 U1.6 U1.7 U1.8@9057.9,5631.29 U1.9 U1.10 U1.11 U1.13 U1.19 U1.20 U1.21 U1.22 U1.28 U1.29 U1.31 U1.33 U2.1 U2.9 U2.10 U2.11

## Polygon pours and split planes (outlines as drawn)
GND on Top Layer "Top Overlay-No Net" (solid, remove dead copper, pour order 0): 1500.4,5750.67 1505.4,5745.67 9560.4,5745.67 9560.4,1045.67 1495.4,1045.67
GND on Bottom Layer "Top Overlay-No Net" (solid, remove dead copper, pour order 2): 1496.8,5748.48 1501.8,5743.48 9561.8,5743.48 9561.8,1043.48 1496.8,1043.48

## Keep-outs
Keep-Out Layer:
  lines w7.87: 1493.97,5747.27 1493.97,1044.09 9559.65,1044.09 9559.65,5747.91 1493.97,5747.91

## Silkscreen, mask and mechanical layers (free items; w line width, h text height)
Top Overlay:
  text "GND" at 9280,1595 h60
  text "IO" at 9280,1500 h60
  text "LED" at 9280,1395 h60
  text "TX" at 9280,1305 h60
  text "3V3" at 9280,1195 h60
  text "20220516" at 8745,1180 h80
  text "+5V" at 9280,1100 h60
  text "V0.11" at 8870,1085 h80
Mechanical 15:
  lines w7.87: 2468.2,4946.99 7957.17,4946.99 ; 2469.09,4169.23 7952.15,4169.23 ; 2474.08,1049.23 6679.9,1049.23 ; 2475.44,3389.23 7525.38,3389.23 ; 2481.18,1759.23 6690.55,1759.23 ; 2483.82,2609.23 7703.62,2609.23 ; 2485.21,3319.23 7704.65,3319.23 ; 2486.61,2539.23 8059.97,2539.23 ; 2488.01,1834.23 8069.09,1834.23 ; 2489.94,4099.23 7524.59,4099.23 ; 2493.2,5656.99 7958.2,5656.99 ; 2494.09,1004.23 2494.09,4879.23 ; 2494.09,5674.06 2494.09,4879.23 ; 2586.36,1039 2586.36,1757.03 ; 2673.37,3380.1 2673.37,4098.14 ; 2761.44,2601.77 2761.44,3319.81 ; 2938.94,1819.37 2938.94,2537.4 ; 3205.98,4938.97 3205.98,5657.01 ; 3206.87,4161.21 3206.87,4879.25 ; 3286.73,4937.62 3286.73,5655.66 ; 3287.62,4159.86 3287.62,4877.9 ; 3295.61,1040.63 3295.61,1758.67 ; 3385,3381.5 3385,4099.53 ; 3470.79,1040.63 3470.79,1758.67 ; 3473.36,2599.95 3473.36,3317.99 ; 3637.62,3381.5 3637.62,4099.53 ; 3649.15,1819.27 3649.15,2537.3 ; 3813.77,2597.73 3813.77,3315.77 ; 3997.35,4938.94 3997.35,5656.98 ; 3998.24,4161.18 3998.24,4879.22 ; 4074.11,4938.32 4074.11,5656.36 ; 4075.01,4160.57 4075.01,4878.6 ; 4170.36,1820.72 4170.36,2538.76 ; 4182.31,1040.63 4182.31,1758.67 ; 4350.49,3381.5 4350.49,4099.53 ; 4356.3,1039.43 4356.3,1757.47 ; 4424.53,3378.59 4424.53,4096.63 ; 4525.17,2597.73 4525.17,3315.77 ; 4601.71,2599.05 4601.71,3317.08 ; 4784.39,4937.97 4784.39,5656.01 ; 4785.28,4160.22 4785.28,4878.25 ; 4861.36,4938.59 4861.36,5656.63 ; 4862.25,4160.83 4862.25,4878.87 ; 4880.44,1818.92 4880.44,2536.96 ; 4956.8,1815.65 4956.8,2533.69 ; 5066.62,1039.43 5066.62,1757.47 ; 5135.3,3380.82 5135.3,4098.86 ; 5213.73,3379.92 5213.73,4097.96 ; 5311.54,2601.82 5311.54,3319.86 ; 5392.31,2600.36 5392.31,3318.4 ; 5571.54,4938.4 5571.54,5656.44 ; 5572.43,4160.64 5572.43,4878.68 ; 5649.43,4937.72 5649.43,5655.76 ; 5650.32,4159.97 5650.32,4878 ; 5668,1817.83 5668,2535.87 ; 5745.44,1820.01 5745.44,2538.05 ; 5922.29,3380.82 5922.29,4098.86 ; 5999.82,3380.82 5999.82,4098.86 ; 6099.75,2600.36 6099.75,3318.4 ; 6176.3,2597.73 6176.3,3315.76 ; 6359.24,4938.4 6359.24,5656.44 ; 6360.13,4160.64 6360.13,4878.68 ; 6435.1,4938.4 6435.1,5656.44 ; 6435.99,4160.64 6435.99,4878.68 ; 6456.09,1819.36 6456.09,2537.4 ; 6531.68,1819.36 6531.68,2537.4 ; 6711.08,3380.18 6711.08,4098.22 ; 6764.62,1023.37 6378.35,1023.37 6377.23,1024.5 6377.23,1773.37 6764.62,1773.37 ; 6784.15,1039.39 6784.15,1757.43 ; 6789.42,3379.19 6789.42,4097.23 ; 6887.71,2599.05 6887.71,3317.08 ; 6965.58,2600.36 6965.58,3318.4 ; 7146.27,4939.08 7146.27,5657.12 ; 7147.16,4161.32 7147.16,4879.36 ; 7224.16,4937.05 7224.16,5655.09 ; 7225.05,4159.29 7225.05,4877.33 ; 7242.01,1820.56 7242.01,2538.6 ; 7318.8,1819.36 7318.8,2537.4 ; 7494.47,1039.39 7494.47,1757.43 ; 7498.98,3380.81 7498.98,4098.85 ; 7514.62,1023.37 7900.88,1023.37 ; 7514.62,1773.37 7902.01,1773.37 7902.01,1024.5 ; 7676.99,2599.05 7676.99,3317.08 ; 7934.24,4937.92 7934.24,5655.96 ; 7959.09,4879.23 2494.09,4879.23 ; 8029.12,1822.96 8029.12,2541

## Text inside footprints (layer, text, board x,y; h text height)
SW15: Top Overlay "VR2" at 9123.6,2416.5 h39.37 r270; Top Overlay "VR1" at 8944.66,1958.01 h39.37
U1: Top Overlay "PRG" at 9099.18,5681.89 h60 r270; Top Overlay "RST" at 8697.73,5678.96 h60 r270